# Altium PCB A_base2017.PcbDoc (part 4 of 4)
Units mil, origin at the board's own origin, x right, y up, seen from the top; angles counter-clockwise.
Board outline 3944.36 x 3947.83 mil, 2 copper layers (Top Layer, Bottom Layer); 105 components, 169 nets, 534 pads, 87 vias.
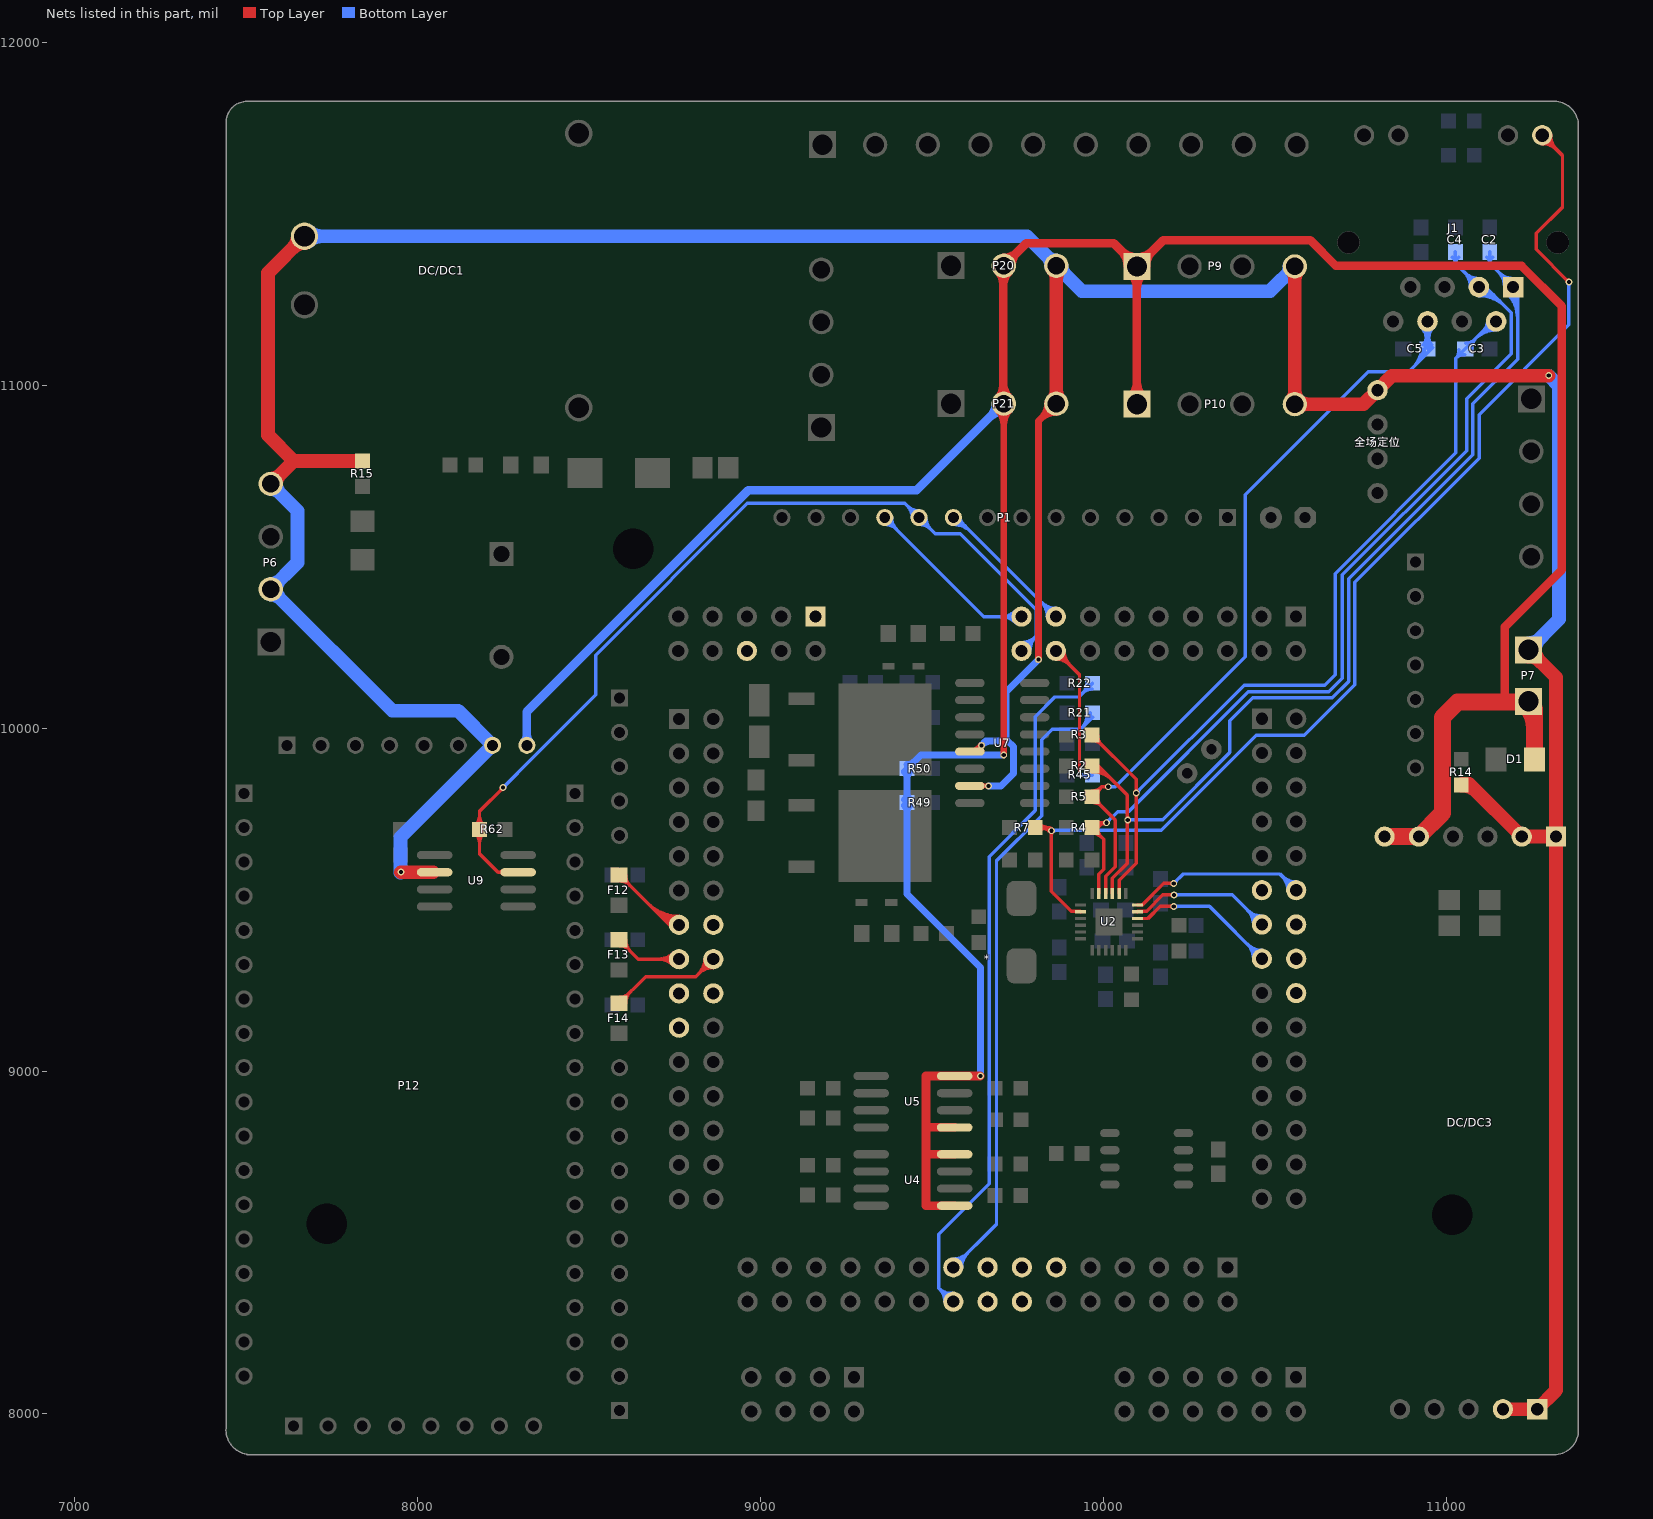
[diagram p4: the nets of this part, all layers, seen from the top]

## Via types
v1: diameter 20, hole 12, Top Layer to Bottom Layer, 86 vias
v2: diameter 12, hole 12, Top Layer to Bottom Layer, 1 vias

## Nets (pads, with @x,y where several pads share a name; then routed paths per layer and width w, separated by ;. In a path a pad name is that pad's centre, name@x,y a point inside that pad or via, vN(x,y) a via of type N, cw(c..) or ccw(c..) an arc to the next point about the centre after c; other vN are vias at no path point) (continued)
PF7: *.16 R45.1 | length 634.3
  Top Layer w10: *.16@9860.97,10200.98 cw(c9860.97,10141.77) 9902.84,10183.64 cw(c9944.71,10225.51) *.16@9885.5,10225.51 ; *.16@9860.97,10210.98 cw(c9860.97,10175.91) 9885.77,10200.71 cw(c9910.57,10225.51) *.16@9875.5,10225.51 ; *.16@9860.97,10225.51 9930,10156.48 v2(9930,9863)
  Bottom Layer w10: R45.1@9955.35,9874.66 cw(c9930,9896.39) v2(9930,9863) ; R45.1@9956.18,9852.1 ccw(c9930,9826.13) v2(9930,9863) ; R45.1@9967.17,9863 v2(9930,9863)
PF8: *.15 P1.9 | length 670.6
  Bottom Layer w10: P1.9@9562.03,10594.32 cw(c9562.03,10521.57) 9613.47,10573.01 ; P1.9@9562.03,10604.32 cw(c9562.03,10555.71) 9596.4,10590.08 ; P1.9@9572.17,10614.32 *.15@9860.97,10325.51 ; P1.9@9582.03,10614.32 ccw(c9605.85,10614.32) 9589.01,10597.47 ; *.15@9836.44,10325.51 ccw(c9777.23,10325.51) 9819.1,10367.38 ccw(c9860.97,10409.25) *.15@9860.97,10350.04 ; *.15@9846.44,10325.51 ccw(c9811.37,10325.51) 9836.17,10350.31 ccw(c9860.97,10375.11) *.15@9860.97,10340.04
PF9: *.18 P1.10 R62.2 U9.7 | length 3078.8
  Top Layer w10: R62.2@8168.34,9692.95 cw(c8139.91,9664.52) 8180.12,9664.52 cw(c8220.32,9664.52) R62.2@8191.89,9692.95 ; R62.2@8168.34,9716.5 ccw(c8139.91,9744.93) 8180.12,9744.93 ccw(c8220.32,9744.93) R62.2@8191.89,9716.5 ; v1@8244.02,9826.77 cw(c8231.94,9826.77) 8240.48,9818.24 cw(c8249.02,9809.7) v1@8249.02,9821.77 ; U9.7@8248.07,9574.97 ccw(c8236.12,9563.02) 8236.12,9579.92 ccw(c8236.12,9596.82) U9.7@8248.07,9584.87 ; v1(8249.02,9826.77) 8180.12,9757.87 8180.12,9633.86 8234.06,9579.92 U9.7@8292.83,9579.92
  Bottom Layer w10: v1@8248.76,9827.02 8333.93,9912.19 8518.7,10096.96 8518.7,10212.6 8961.61,10655.51 9420.83,10655.51 P1.10@9462.03,10614.32 9509.35,10567 9582.12,10567 9803.5,10345.62 9803.5,10268.04 *.18@9760.97,10225.51 ; v1@8249.02,9831.77 ccw(c8249.02,9842.63) 8256.69,9834.95 ; v1@8254.02,9826.77 cw(c8267.3,9826.77) 8257.91,9836.17 ; P1.10@9442.03,10614.32 ccw(c9393.75,10614.32) 9427.89,10648.46 ccw(c9462.03,10682.6) P1.10@9462.03,10634.32 ; P1.10@9462.03,10594.31 cw(c9462.03,10546.03) 9496.17,10580.17 cw(c9530.32,10614.32) P1.10@9482.03,10614.32 ; *.18@9760.97,10240.04 ccw(c9760.97,10275.11) 9785.77,10250.31 ccw(c9810.57,10225.51) *.18@9775.5,10225.51 ; *.18@9760.97,10250.04 ccw(c9760.97,10309.25) 9802.84,10267.38 ccw(c9844.71,10225.51) *.18@9785.5,10225.51
PF10: *.17 P1.11 | length 742.5
  Bottom Layer w10: P1.11@9362.03,10594.31 cw(c9362.03,10546.03) 9396.17,10580.17 cw(c9430.32,10614.32) P1.11@9382.03,10614.32 ; P1.11@9362.03,10614.32 9650.83,10325.51 *.17@9760.97,10325.51 ; *.17@9743.62,10308.17 ccw(c9701.75,10266.3) 9701.75,10325.51 ccw(c9701.75,10384.73) *.17@9743.62,10342.86 ; *.17@9750.7,10315.24 ccw(c9725.9,10290.44) 9725.9,10325.51 ccw(c9725.9,10360.58) *.17@9750.7,10335.78
PF11: *.42
PF12: *.41 F12.2 | length 584.2
  Top Layer w10: F12.2@8589.07,9571.36 8733.92,9426.51 *.41@8761.97,9426.51 ; F12.2@8589.11,9554.35 cw(c8589.11,9513.38) 8618.08,9542.35 ; F12.2@8606.61,9571.85 ccw(c8650.15,9571.85) 8619.36,9541.07 ; 8672.22,9488.22 ccw(c8761.97,9577.97) *.41@8761.97,9451.04 ; 8689.29,9471.14 ccw(c8761.97,9543.82) *.41@8761.97,9441.04 ; 8706.36,9454.07 ccw(c8761.97,9509.68) *.41@8761.97,9431.04 ; 8723.43,9437 ccw(c8761.97,9475.54) *.41@8761.97,9421.04
PF13: *.43 F13.2 | length 413.2
  Top Layer w10: F13.2@8586.61,9382.87 8642.98,9326.51 *.43@8761.97,9326.51 ; F13.2@8589.11,9365.37 cw(c8589.11,9329.16) 8614.72,9354.77 ; F13.2@8606.61,9382.87 ccw(c8654.9,9382.87) 8620.76,9348.73 ; *.43@8744.62,9309.17 ccw(c8702.75,9267.3) 8702.75,9326.51 ccw(c8702.75,9385.73) *.43@8744.62,9343.86 ; *.43@8751.7,9316.24 ccw(c8726.9,9291.44) 8726.9,9326.51 ccw(c8726.9,9361.58) *.43@8751.7,9336.78
PF14: *.44 F14.2 | length 543.1
  Top Layer w10: F14.2@8586.61,9197.83 8664.37,9275.59 8811.05,9275.59 *.44@8861.97,9326.51 ; F14.2@8589.11,9215.33 ccw(c8589.11,9251.55) 8614.72,9225.94 ; F14.2@8606.61,9197.83 cw(c8654.9,9197.83) 8620.76,9231.98 ; *.44@8837.44,9326.51 cw(c8778.23,9326.51) 8820.1,9284.64 cw(c8861.97,9242.77) *.44@8861.97,9301.98 ; *.44@8847.44,9326.51 cw(c8812.37,9326.51) 8837.17,9301.71 cw(c8861.97,9276.91) *.44@8861.97,9311.98
PF15: *.45
PG0: *.46
PG1: *.47
PG2: *.75 R21.1 | length 2056
  Bottom Layer w10: *.75@9561.97,8427.51 9687.99,8553.54 9687.99,9613.19 9820,9745.2 9820,9966 9851,9997 9933.89,9997 ; *.75@9561.97,8442.04 ccw(c9561.97,8477.11) 9586.77,8452.31 ccw(c9611.57,8427.51) *.75@9576.5,8427.51 ; *.75@9561.97,8452.04 ccw(c9561.97,8511.25) 9603.84,8469.38 ccw(c9645.71,8427.51) *.75@9586.5,8427.51 ; 9949.4,10012.51 ccw(c9920.27,10041.64) R21.1@9961.36,10044.53 ; R21.1@9951.39,10043.83 cw(c9891.29,10039.6) 9933.89,9997 ; R21.1@9968.5,10031.61 9933.89,9997
PG3: *.76 R22.1 | length 2224.5
  Bottom Layer w10: 9522.68,8363.15 cw(c9487.05,8327.51) *.76@9537.44,8327.51 ; 9534.45,8351.37 ccw(c9557.5,8374.42) *.76@9560.59,8341.97 ; *.76@9559.64,8351.93 cw(c9554.89,8401.83) 9519.44,8366.38 ; *.76@9560.14,8325.68 9519.44,8366.39 ; R22.1@9951.35,10131 cw(c9911.14,10131) 9939.57,10102.57 cw(c9968,10074.14) R22.1@9968,10114.35 ; R22.1@9968,10131 9928,10091 9858,10091 9801,10034 9801,9760 9666.34,9625.34 9666.34,8671.34 9519.44,8524.44 9519.44,8366.39
PG4: *.74
PG5: *.73
PG6: *.72
PG7: *.71
PG8: *.69
PG9: *.106
PG10: *.104
PG11: *.103 U2.16 | length 627.1
  Top Layer w10: U2.16@10098.75,9445.08 10129.84,9445.08 10165.08,9480.32 v1(10204.72,9480.32) ; v1@10201.19,9476.78 ccw(c10192.65,9468.24) 10192.65,9480.31 ccw(c10192.65,9492.39) v1@10201.19,9483.85
  Bottom Layer w10: v1(10204.72,9480.32) 10309.17,9480.32 *.103@10461.97,9327.51 ; v1@10208.26,9476.78 cw(c10216.8,9468.24) 10216.8,9480.31 cw(c10216.8,9492.39) v1@10208.26,9483.85 ; *.103@10437.44,9327.51 ccw(c10378.23,9327.51) 10420.1,9369.38 ccw(c10461.97,9411.25) *.103@10461.97,9352.04 ; *.103@10447.44,9327.51 ccw(c10412.37,9327.51) 10437.17,9352.31 ccw(c10461.97,9377.11) *.103@10461.97,9342.04
PG12: *.102
PG13: *.101 U2.17 | length 606.3
  Top Layer w10: U2.17@10098.75,9464.76 10100.43,9466.45 10125.75,9466.45 10173.09,9513.78 v1(10205.71,9513.78) ; v1@10202.17,9510.24 ccw(c10193.64,9501.71) 10193.64,9513.78 ccw(c10193.64,9525.85) v1@10202.17,9517.32
  Bottom Layer w10: v1@10204.72,9513.78 10375.7,9513.78 *.101@10461.97,9427.51 ; v1@10209.24,9510.24 cw(c10217.78,9501.71) 10217.78,9513.78 cw(c10217.78,9525.85) v1@10209.24,9517.32 ; *.101@10437.44,9427.51 ccw(c10378.23,9427.51) 10420.1,9469.38 ccw(c10461.97,9511.25) *.101@10461.97,9452.04 ; *.101@10447.44,9427.51 ccw(c10412.37,9427.51) 10437.17,9452.31 ccw(c10461.97,9477.11) *.101@10461.97,9442.04
PG15: *.99
PGND: DC/DC1.Vin- DC/DC3.1 DC/DC3.2 DC/DC3.6 DC/DC3.7 P6.2 P6.4 P7.1 P9.4 P10.4 P12.15 P20.3 P21.3 R14.1 R15.1 U7.13 U7.15 U9.2 全场定位.4 | length 13608.6
  Top Layer w10: U7.13@9610.24,9931.81 U7.13@9625.71,9931.81 ; U7.15@9610.35,9831.69 v1(9664.37,9831.69) ; U7.15@9646.55,9826.99 cw(c9657.89,9815.65) v1@9657.89,9831.69 ; U7.15@9646.55,9836.63 ccw(c9658.46,9848.54) v1@9658.46,9831.69 ; U7.15@9652.6,9833.26 ccw(c9654.9,9841.85) v1@9660.96,9835.35 ; U7.15@9652.68,9830.3 cw(c9654.88,9822.07) 9660.86,9828.13 ccw(c9652.3,9819.62) 9652.3,9831.69 ccw(c9652.3,9843.76) v1@9660.83,9835.23
  Top Layer w20: U7.13@9625.71,9931.81 v1(9643.7,9949.8) ccw(c9652.43,9941.08) U7.13@9643.1,9933 ; v1(9810.04,10200.79) 9810.04,10895.77 P21.3@9862.54,10948.27 ; 9816.07,10901.8 cw(c9862.54,10855.34) P21.3@9862.54,10921.05 ; 9820.38,10906.12 ccw(c9780.02,10946.48) P21.3@9837.1,10946.48
  Top Layer w40: P6.4@7571.38,10712.4 7638.5,10779.53 ; P6.4@7571.38,10727.83 ccw(c7571.38,10765.09) 7597.72,10738.75 ccw(c7624.07,10712.4) P6.4@7586.81,10712.4 ; DC/DC1.Vin-@7649.69,11434.65 cw(c7601.4,11434.65) 7635.54,11400.5 cw(c7669.69,11366.36) DC/DC1.Vin-@7669.69,11414.65 ; DC/DC1.Vin-@7669.69,11434.65 7562.99,11327.95 7562.99,10855.04 7638.5,10779.53 ; R15.1@7838.58,10779.53 7638.5,10779.53 ; v1(7950.79,9580.19) U9.2@8045.54,9580.19 ; P21.3@9851.62,10957.4 ccw(c9825.28,10983.74) 9862.54,10983.74 ccw(c9899.8,10983.74) P21.3@9873.45,10957.4 ; P20.3@9851.62,11337.85 cw(c9825.28,11311.5) 9862.54,11311.5 cw(c9899.8,11311.5) P20.3@9873.45,11337.85 ; P21.3@9862.54,10948.27 P20.3@9862.54,11348.76 ; P10.4@10547.22,10956.04 ccw(c10520.87,10982.38) 10558.13,10982.38 ccw(c10595.39,10982.38) 10569.04,10956.04 ccw(c10595.39,10982.38) 10595.39,10945.13 ccw(c10595.39,10907.87) P10.4@10569.04,10934.21 ; P9.4@10547.22,11335.79 cw(c10520.87,11309.44) 10558.13,11309.44 cw(c10595.39,11309.44) P9.4@10569.04,11335.79 ; P9.4@10558.13,11346.7 P10.4@10558.13,10945.13 10758.51,10945.13 全场定位.4@10799.21,10985.83 10841.58,11028.2 v1(11298.49,11028.2) ; R14.1@11043.31,9832.99 cw(c11043.31,9766.84) 11090.08,9813.62 ; R14.1@11046.34,9837.68 11066.02,9837.68 DC/DC3.7@11219.8,9683.9 DC/DC3.6@11319.8,9683.9 ; DC/DC3.2@11164.8,8013.9 DC/DC3.1@11264.8,8013.9 11319.8,8068.9 DC/DC3.6@11319.8,9683.9 ; P7.1@11239.65,10209.17 cw(c11239.65,10162.41) 11272.71,10195.48 cw(c11305.78,10228.54) P7.1@11259.02,10228.54 ; P7.1@11239.65,10228.54 11319.8,10148.39 DC/DC3.6@11319.8,9683.9
  Bottom Layer w10: v1(9810.04,10200.79) v1@9811.02,10201.77
  Bottom Layer w20: v1(9664.37,9831.69) 9700.79,9831.69 9736.99,9867.9 9736.99,9946.08 9718.5,9964.57 9718.5,9965.55 9716.54,9967.52 9716.54,10107.28 v1(9810.04,10200.79) ; 9674.59,9962.6 ccw(c9674.59,9918.91) v1(9643.7,9949.8) 9656.5,9962.6 9720.47,9962.6
  Bottom Layer w40: P6.2@7571.38,10389.88 cw(c7571.38,10352.62) 7597.72,10378.97 cw(c7624.07,10405.32) 7586.81,10405.32 cw(c7624.07,10405.32) 7597.72,10431.66 cw(c7571.38,10458.01) P6.2@7571.38,10420.75 ; P6.4@7571.38,10696.97 cw(c7571.38,10659.71) 7597.72,10686.06 cw(c7624.07,10712.4) P6.4@7586.81,10712.4 ; P6.4@7571.38,10712.4 7649.61,10634.17 7649.61,10483.54 P6.2@7571.38,10405.32 7925.51,10051.18 8117.2,10051.18 P12.15@8218.19,9950.19 7949.8,9681.8 v1@7949.8,9578.74 ; DC/DC1.Vin-@7669.69,11434.65 9776.65,11434.65 P20.3@9862.54,11348.76 9936.69,11274.61 10486.04,11274.61 P9.4@10558.13,11346.7 ; DC/DC1.Vin-@7683.83,11420.5 cw(c7717.97,11386.36) 7717.97,11434.65 cw(c7717.97,11482.93) DC/DC1.Vin-@7683.83,11448.79 ; P20.3@9847.1,11348.76 ccw(c9809.85,11348.76) 9836.19,11375.11 ccw(c9862.54,11401.45) P20.3@9862.54,11364.19 ; P20.3@9862.54,11333.33 cw(c9862.54,11296.07) 9888.88,11322.41 cw(c9915.23,11348.76) P20.3@9877.97,11348.76 ; P9.4@10542.7,11346.7 cw(c10505.44,11346.7) 10531.78,11320.35 cw(c10558.13,11294.01) P9.4@10558.13,11331.27 ; P7.1@11239.65,10228.54 11328.74,10317.64 11328.74,10997.94 v1(11298.49,11028.2) ; P7.1@11239.65,10247.91 ccw(c11239.65,10294.68) 11272.71,10261.61 ccw(c11305.78,10228.54) P7.1@11259.02,10228.54
PWR5V: D1.1 DC/DC3.10 DC/DC3.11 P7.2 P9.1 P10.1 P12.16 P20.2 P21.2 R49.2 R50.2 U4.1 U4.4 U5.1 U5.4 | length 10875.7
  Top Layer w20: P21.2@9691.01,10928.5 cw(c9647.59,10885.08) 9708.99,10885.08 cw(c9770.39,10885.08) P21.2@9726.98,10928.5 ; v1(9708.99,9921.59) P21.2@9708.99,10944.7
  Top Layer w25: 9482.28,8835.63 U5.1@9565.95,8835.63 ; 9482.87,8757.28 U4.4@9565.95,8757.28 ; U4.1@9565.95,8607.28 9482.28,8607.28 9482.28,8985.63 U5.4@9565.95,8985.63 v1@9640.64,8985.63 ; P21.2@9692.78,10962.7 ccw(c9657.94,10997.53) 9707.21,10997.53 ; P20.2@9692.78,11332.54 cw(c9657.94,11297.71) 9707.21,11297.71 ; P21.2@9707.21,10946.48 P20.2@9707.21,11346.97 ; 9707.21,11006.17 ccw(c9768.67,11006.17) P21.2@9725.21,10962.7 ; 9707.21,11289.08 cw(c9768.67,11289.08) P20.2@9725.21,11332.54 ; P20.2@9708.99,11348.76 9774.6,11414.37 10029.83,11414.37 P9.1@10097.5,11346.7 ; P20.2@9708.99,11371.69 ccw(c9708.99,11427.06) 9748.14,11387.91 ccw(c9787.29,11348.76) P20.2@9731.93,11348.76 ; P9.1@10070.63,11346.7 ccw(c10005.76,11346.7) 10051.63,11392.57 ccw(c10097.5,11438.44) 10097.5,11373.57 ccw(c10097.5,11438.44) 10143.37,11392.57 ccw(c10189.24,11346.7) P9.1@10124.37,11346.7 ; P10.1@10078.5,10964.13 ccw(c10032.63,11010) 10097.5,11010 ccw(c10162.37,11010) P10.1@10116.5,10964.13 ; P9.1@10078.5,11327.7 cw(c10032.63,11281.83) 10097.5,11281.83 cw(c10162.37,11281.83) P9.1@10116.5,11327.7 ; P10.1@10097.5,10945.13 P9.1@10097.5,11346.7 ; 11170.28,10076 11170.28,10295.28 11336.99,10461.99 11336.99,11230.47 11219.04,11348.43 10678.15,11348.43 10603.35,11423.23 10174.03,11423.23 P9.1@10097.5,11346.7
  Top Layer w50: DC/DC3.11@10819.8,9683.9 DC/DC3.10@10919.8,9683.9 10988.19,9752.28 10988.19,10031.5 11032.69,10076 11170.28,10076 11237.1,10076 11256.79,10056.32 D1.1@11256.79,9909.45 ; 11198.81,10076 ccw(c11198.81,10119.38) P7.2@11229.48,10088.7 ; P7.2@11229.48,10068.38 cw(c11163.57,10002.47) 11256.79,10002.47
  Bottom Layer w20: R49.2@9418.96,9774.76 cw(c9399.52,9755.32) 9427.01,9755.32 ; R49.2@9418.96,9791.24 ccw(c9399.06,9811.13) 9427.2,9811.13 ccw(c9455.33,9811.13) R49.2@9435.44,9791.24 ; R50.2@9418.96,9873.76 cw(c9399.06,9853.87) 9427.2,9853.87 cw(c9455.33,9853.87) R50.2@9435.44,9873.76 ; 9427.01,9754.41 cw(c9455.79,9754.41) R49.2@9435.44,9774.76 ; R49.2@9427.01,9783.58 9427.01,9515.99 9640.75,9302.25 v1@9640.75,8985.24 ; R49.2@9427.2,9783 R50.2@9427.2,9882 9467.44,9922.24 9631.66,9922.24 9632.1,9921.8 9708.55,9921.8 v1@9708.99,9922.24 ; R50.2@9427.2,9893.65 ccw(c9427.2,9921.79) 9447.09,9901.89 ccw(c9466.98,9882) R50.2@9438.85,9882
  Bottom Layer w25: P12.16@8309.35,9959.03 ccw(c8288.01,9980.37) 8318.19,9980.37 ccw(c8348.37,9980.37) P12.16@8327.03,9959.03 ; P12.16@8318.19,9950.19 8318.19,10048.15 8963.94,10693.9 9454.62,10693.9 P21.2@9707.21,10946.48 ; 9666.79,10906.07 cw(c9708.99,10863.87) P21.2@9708.99,10923.55 ; 9671.11,10910.39 ccw(c9635.01,10946.48) P21.2@9686.06,10946.48
  other v1: 9641.03,8985.24
RESET: *.19
RMII_TXD1: *.100 U2.18 | length 713.5
  Top Layer w10: U2.18@10098.75,9484.45 10113.5,9484.45 10176.29,9547.24 v1(10204.72,9547.24) ; U2.18@10109.57,9484.37 ccw(c10109.57,9493.65) 10116.13,9487.09 ; v1@10201.19,9543.71 ccw(c10192.65,9535.17) 10192.65,9547.24 ccw(c10192.65,9559.32) v1@10201.19,9550.78
  Bottom Layer w10: v1(10204.72,9547.24) 10232.28,9574.8 10514.68,9574.8 *.100@10561.97,9527.51 ; v1@10204.72,9552.24 ccw(c10204.72,9564.32) 10213.26,9555.78 ccw(c10221.8,9547.24) v1@10209.72,9547.24 ; *.100@10537.44,9527.51 ccw(c10478.23,9527.51) 10520.1,9569.38 ccw(c10561.97,9611.25) *.100@10561.97,9552.04 ; *.100@10547.44,9527.51 ccw(c10512.37,9527.51) 10537.17,9552.31 ccw(c10561.97,9577.11) *.100@10561.97,9542.04
SPEED_LED: J1.9 R7.1 U2.2 | length 3756.1
  Top Layer w10: R7.1@9801.02,9710.24 9838.76,9710.24 ; R7.1@9813.33,9699.01 cw(c9838.76,9675.8) 9838.76,9710.24 ; R7.1@9813.33,9721.46 ccw(c9838.76,9744.67) 9838.76,9710.24 ; R7.1@9813.63,9710.24 cw(c9813.63,9666.63) 9844.46,9697.46 cw(c9835.93,9688.93) 9848,9688.93 cw(c9860.07,9688.93) v1@9851.54,9697.46 ; 9822.8,9714.51 cw(c9813.91,9681.32) v1@9843.67,9698.5 ; 9827.84,9713.16 cw(c9821.9,9690.99) v1@9843.33,9699.21 ; 9837.77,9710.24 cw(c9837.77,9690.77) v1@9851.54,9704.54 ; v1@9843,9701 ccw(c9830.93,9701) 9839.46,9709.54 ccw(c9848,9718.07) v1@9848,9706 ; U2.2@9933.3,9464.76 9931.61,9466.45 9905.84,9466.45 9848,9524.29 v1(9848,9701) 9838.76,9710.24 ; J1.9@11279.53,11704.8 cw(c11279.53,11645.59) 11321.4,11687.46 cw(c11363.27,11729.33) J1.9@11304.06,11729.33 ; J1.9@11279.53,11714.8 cw(c11279.53,11679.73) 11304.33,11704.53 cw(c11329.13,11729.33) J1.9@11294.06,11729.33 ; J1.9@11279.53,11729.33 11338.58,11670.28 11338.58,11519.68 11261.81,11442.91 11261.81,11396.65 v1(11357.28,11301.18) v1@11357.28,11299.21 ; v1@11352.28,11301.18 ccw(c11340.21,11301.18) 11348.75,11309.72 ccw(c11357.28,11318.25) v1@11357.28,11306.18
  Bottom Layer w10: v1(9848,9701) 9848.86,9701.86 10168.39,9701.86 10445.87,9979.33 10585.63,9979.33 10732.85,10126.55 10732.85,10425.2 11095.28,10787.63 11095.28,10914.18 11357.28,11176.18 v1(11357.28,11301.18) ; v1@9851.54,9697.46 cw(c9862.14,9686.86) 9862.14,9701.86 ; v1@9851.54,9704.54 ccw(c9858,9711) 9858,9701.86 ; v1@11353.75,11297.65 cw(c11345.21,11289.11) 11357.28,11289.11 cw(c11369.35,11289.11) v1@11360.82,11297.65
TPRX+: C4.2 J1.3 R4.1 U2.23 | length 3224.9
  Top Layer w10: R4.1@9966.02,9693.58 cw(c9966.02,9653.38) 9994.45,9681.81 cw(c10022.88,9710.24) R4.1@9982.68,9710.24 ; R4.1@9972.33,9708.12 cw(c9994.96,9700.55) 9994.96,9724.41 ; R4.1@9981.82,9704.95 cw(c10008.86,9695.89) v1(10008.86,9724.41) 9980.2,9724.41 R4.1@9966.02,9710.24 10000.68,9675.58 10000.68,9588.2 9986.5,9574.02 U2.23@9986.5,9517.96 ; v1@10004.53,9726.91 cw(c9994.08,9732.94) 9997.2,9721.29 cw(c10000.32,9709.62) v1@10006.36,9720.08 ; v1@10005.32,9720.87 ccw(c9996.79,9712.34) 9996.79,9724.41 ccw(c9996.79,9736.48) v1@10005.32,9727.94
  Bottom Layer w10: v1@10008.86,9729.41 ccw(c10008.86,9741.48) 10017.39,9732.94 ccw(c10025.93,9724.41) v1@10013.86,9724.41 ; v1@10011.22,9726.78 10041.34,9756.89 10072.83,9756.89 10422.24,10106.3 10657.48,10106.3 10696.85,10145.67 10696.85,10446.95 11059.28,10809.39 11059.28,10961.28 11189.54,11091.54 11189.54,11212.04 11115.39,11286.18 11096.54,11286.18 11026.46,11356.26 ; C4.2@11017.25,11373.4 cw(c11005.89,11356.26) 11026.46,11356.26 ; C4.2@11026.46,11389.25 11026.46,11356.26 ; C4.2@11035.66,11373.4 ccw(c11047.02,11356.26) 11026.46,11356.26 ; 11051.2,11331.51 cw(c11006.11,11286.42) J1.3@11069.88,11286.42 ; 11054.62,11328.09 ccw(c11094.88,11368.35) J1.3@11094.88,11311.42 ; 11068.27,11314.44 cw(c11040.25,11286.42) J1.3@11079.88,11286.42 ; 11071.69,11311.02 ccw(c11094.88,11334.21) J1.3@11094.88,11301.42 ; J1.3@11094.88,11261.42 cw(c11094.88,11152.11) 11172.17,11229.4 ; J1.3@11094.88,11271.42 cw(c11094.88,11186.25) 11155.1,11246.47 ; J1.3@11094.88,11281.42 cw(c11094.88,11220.4) 11138.03,11263.54
TPRX-: C5.2 J1.6 R5.1 U2.22 | length 2811.2
  Top Layer w10: R5.1@9966.02,9783.58 cw(c9966.02,9742.24) 9995.26,9771.47 ; R5.1@9966.02,9800.24 9994.96,9829.17 v1(10013.72,9829.17) ; R5.1@9966.02,9816.89 ccw(c9966.02,9857.09) 9994.45,9828.67 ccw(c10022.88,9800.24) 9982.68,9800.24 ccw(c10021.74,9800.24) 9994.12,9772.61 ; R5.1@9966.5,9800.24 10034.45,9732.28 10034.45,9596.51 10006.18,9568.25 U2.22@10006.18,9517.96 ; v1@10010.18,9825.64 ccw(c10001.65,9817.1) 10001.65,9829.17 ccw(c10001.65,9841.24) v1@10010.18,9832.71
  Bottom Layer w10: v1(10013.72,9829.17) 10034.17,9829.17 10413,10208 10413,10680.72 10771.65,11039.37 10889.76,11039.37 C5.2@10960.63,11110.24 ; v1@10017.25,9825.64 cw(c10025.79,9817.1) 10025.79,9829.17 cw(c10025.79,9841.24) v1@10017.25,9832.71 ; 10904.74,11054.35 ccw(c10852.79,11106.3) C5.2@10926.26,11106.3 ; 10921.81,11071.42 ccw(c10886.93,11106.3) C5.2@10936.26,11106.3 ; J1.6@10927.2,11168.74 cw(c10884.53,11126.06) 10944.88,11126.06 cw(c11005.24,11126.06) J1.6@10962.56,11168.74 ; C5.2@10932.05,11118.92 ccw(c10915.65,11137.99) 10939.94,11144.5 ; C5.2@10933.11,11118.08 ccw(c10904.68,11146.5) 10944.88,11146.5 ccw(c10985.09,11146.5) C5.2@10956.66,11118.08 ; J1.6@10934.28,11175.81 cw(c10908.67,11150.2) 10944.88,11150.2 cw(c10981.1,11150.2) J1.6@10955.49,11175.81 ; C5.2@10938.52,11120.72 ccw(c10930.4,11134.79) 10946.09,11130.59 ; C5.2@10938.57,11111.34 ccw(c10927.17,11124.6) 10944.06,11129.13 ; 10943.67,11130.59 ccw(c10959.36,11134.79) C5.2@10951.24,11120.72 ; C5.2@10944.88,11106.3 J1.6@10944.88,11184.53 ; 10945.7,11129.13 ccw(c10962.6,11124.6) C5.2@10951.19,11111.34 ; 10949.82,11144.5 ccw(c10974.12,11137.99) C5.2@10957.71,11118.92
TPTX+: C2.2 J1.1 R2.1 U2.21 | length 3376.6
  Top Layer w10: R2.1@9966.02,9890.24 9983.85,9890.17 10068.9,9805.12 10068.9,9605.51 10025.87,9562.48 U2.21@10025.87,9517.96 ; R2.1@9966.02,9873.58 cw(c9966.02,9790.51) 10024.76,9849.25 ; R2.1@9966.02,9883.58 cw(c9966.02,9824.65) 10007.69,9866.32 ; R2.1@9966.02,9893.58 cw(c9966.02,9858.8) 9990.62,9883.39 ; 10068.9,9715.46 cw(c10087.69,9715.46) v1@10074.4,9728.75 ; 10068.9,9749.11 ccw(c10087.69,9749.11) v1@10074.4,9735.82
  Bottom Layer w10: v1(10070.87,9732.28) 10069.88,9732.28 10068.9,9733.27 10172.24,9733.27 10368.11,9929.13 10368.11,10021.65 10434.76,10088.3 10667.04,10088.3 10714.85,10136.11 10714.85,10435.32 11077.28,10797.76 11077.28,10946.28 11207.54,11076.54 11207.54,11275.18 11126.46,11356.26 ; v1@10074.4,9728.75 cw(c10085.31,9717.84) 10085.31,9733.27 ; C2.2@11117.25,11373.4 cw(c11105.89,11356.26) 11126.46,11356.26 ; C2.2@11126.46,11389.25 11126.46,11356.26 ; C2.2@11135.66,11373.4 ccw(c11147.02,11356.26) 11126.46,11356.26 ; 11151.2,11331.51 cw(c11106.11,11286.42) J1.1@11169.88,11286.42 ; 11154.62,11328.09 ccw(c11194.88,11368.35) J1.1@11194.88,11311.42 ; J1.1@11168.27,11314.44 cw(c11140.25,11286.42) J1.1@11179.88,11286.42 ; J1.1@11171.69,11311.02 ccw(c11194.88,11334.21) J1.1@11194.88,11301.42 ; J1.1@11177.2,11268.74 cw(c11103.98,11195.51) 11207.54,11195.51 ; J1.1@11184.28,11275.81 cw(c11128.12,11219.66) 11207.54,11219.66 ; J1.1@11191.35,11282.88 cw(c11152.26,11243.8) 11207.54,11243.8 ; J1.1@11207.54,11256.61 cw(c11224.69,11256.61) J1.1@11212.56,11268.74
TPTX-: C3.2 J1.2 R3.1 U2.20 | length 2892.4
  Top Layer w10: R3.1@9966.02,9963.58 cw(c9966.02,9923.38) 9994.45,9951.81 cw(c10022.88,9980.24) R3.1@9982.68,9980.24 ; R3.1@9966.02,9980.24 10095.47,9850.79 10095.47,9606.63 10045.55,9556.7 U2.20@10045.55,9517.96 ; v1@10091.94,9807.49 cw(c10083.4,9798.95) 10095.47,9798.95 cw(c10107.54,9798.95) v1@10099.01,9807.49 ; v1@10091.94,9814.56 ccw(c10083.4,9823.09) 10095.47,9823.09 ccw(c10107.54,9823.09) v1@10099.01,9814.56
  Bottom Layer w10: v1@10095.47,9816.02 ccw(c10095.47,9828.09) 10104.01,9819.56 ccw(c10112.54,9811.02) v1@10100.47,9811.02 ; v1@10097.44,9812.99 10409.87,10125.42 10645.1,10125.42 10675.48,10155.8 10675.48,10451.04 11027.56,10803.12 11027.56,11078.74 ; 11028.08,11079.26 cw(c11053.15,11054.19) C3.2@11053.15,11089.65 ; C3.2@11036.6,11104.47 cw(c11005.29,11101.02) 11027.56,11078.74 ; C3.2@11057.09,11122.95 ccw(c11057.09,11158.41) 11082.16,11133.34 ; C3.2@11073.74,11106.3 cw(c11118.7,11106.3) 11086.91,11138.09 ; 11085.74,11136.92 cw(c11144.88,11077.77) J1.2@11144.88,11161.42 ; 11102.81,11153.99 cw(c11144.88,11111.92) J1.2@11144.88,11171.42 ; 11109.02,11160.21 ccw(c11082.81,11186.42) J1.2@11119.88,11186.42 ; J1.2@11162.61,11170.11 11146.54,11186.18 11135,11186.18 C3.2@11055.12,11106.3 11027.56,11078.74
  other v1: 10095.47,9811.02
VREF+: *.24
pads on no net: *.1 *.70 *.89 *.119 *.120 DC/DC3.3 J1.7 J1.8 J1.14 P12.1 P12.2 P12.9 P12.10 P13.1 P13.2 P13.11 P13.12 U2.10 U8.5 U9.3 U9.4 U9.5

## Polygon pours and split planes (outlines as drawn)
GND on Top Layer "Top Layer-No Net" (hatched 90Degree grid 20 track 8, remove dead copper, pour order 12): 10705.71,11860.24 10705.71,11160.43 10709.65,11156.5 10800.2,11065.94 10808.07,11065.94 11429.13,11065.94 11453.74,11090.55 11481.3,11118.11 11481.3,11964.57 10703.74,11964.57 10701.77,11966.54
PGND on Top Layer "Top Layer-No Net" (hatched 90Degree grid 20 track 8, remove dead copper, pour order 17): 7358.27,9482.28 7359.25,9481.3 8040,9481.3 8066.93,9481.3 8105.31,9519.68 8106.3,9520.67 8106.3,9575.79 8106.3,9586.61 8065.94,9626.97 8060,9632.91 8060,9746.75 8060,9757.83 8230.32,9928.15 8230.32,10041.34 8207.68,10041.34 7754.92,10494.09 7754.92,11204.72 7760,11209.8 7936.02,11385.83 8320,11385.83 8344.49,11410.32 8344.49,12063.98 7292.32,12063.98 7268.7,12087.6 7263.78,12082.68 7263.78,9481.3
GND on Top Layer "Top Layer-No Net" (hatched 90Degree grid 20 track 8, remove dead copper, pour order 20): 8388.78,11882.87 8396.65,11890.75 8979.33,11890.75 8979.33,9535.43 9047.24,9467.52 9051.18,9471.46 9628.94,9471.46 9681.1,9523.62 9675.2,9529.53 9675.2,9716.54 9675.2,9717.52 9694.88,9737.2 9696.85,9739.17 11027.56,9739.17 11036.42,9739.17 11224.41,9551.18 11222.44,9549.21 11222.44,9348.43 11222.44,9346.46 10748.03,8872.05 10750,8870.08 10750,7868.11 7292.32,7868.11 7288.39,7872.05 7290.35,7874.02 7290.35,9441.93 8069.88,9441.93 8129.92,9501.97 8131.89,9503.94 8131.89,9573.82 8131.89,9584.65 8089.57,9626.97 8087.6,9628.94 8087.6,9747.05 8087.6,9766.73 8249.02,9928.15 8254.92,9934.06 8254.92,10067.91 8253.94,10067.91 7801.18,10520.67 7795.28,10526.57 7795.28,11163.39 7795.28,11183.07 7954.72,11342.52 7959.65,11337.6 8332.68,11337.6 8341.54,11337.6 8404.53,11400.59 8407.48,11403.54 8407.48,11882.87
PGND on Top Layer "Top Layer-No Net" (hatched 90Degree grid 20 track 8, remove dead copper, pour order 18): 9508.86,11454.72 10589.57,11454.72 10678.15,11366.14 10680,11364.29 10680,11158.46 10680,11146.77 10777.56,11049.21 10779.53,11047.24 11781.5,11047.24 11781.5,7718.5 11774.61,7711.61 10786.42,7711.61 10786.42,8849.41 10784.45,8851.38 11260,9326.93 11260,9561.69 11264.76,9566.46 11072.36,9758.86 9562.99,9758.86 9560.04,9758.86 9506.89,9812.01 9500,9818.9 9500,11452.76
GGND on Top Layer "Top Layer-No Net" (solid, remove dead copper, pour order 14): 9076.7,11899.02 10657.4,11899.02 10659.37,11900.99 10665.28,11895.09 10665.28,11543.71 10665.28,11535.83 10615.08,11485.64 10612.13,11482.69 9482.21,11482.69 9437.36,11437.83 9433.98,11434.46 9433.98,9622.45 9433.98,9614.57 9324.73,9505.32 9322.76,9503.35 9074.73,9503.35 9071.77,9503.35 9022.56,9552.57 9006.81,9568.32 9006.81,11935.44
GGND on Bottom Layer "Top Layer-No Net" (solid, remove dead copper, pour order 13): 9071.77,11894.1 10652.48,11894.1 10654.45,11896.07 10660.36,11890.17 10660.36,11538.79 10660.36,11530.91 10610.16,11480.72 10607.21,11477.76 9477.29,11477.76 9432.44,11432.91 9429.06,11429.54 9429.06,9617.53 9429.06,9609.65 9319.81,9500.4 9317.84,9498.43 9069.81,9498.43 9066.85,9498.43 9017.64,9547.65 9001.89,9563.39 9001.89,11930.52
GND on Bottom Layer "Top Layer-No Net" (hatched 90Degree grid 20 track 8, remove dead copper, pour order 11): 10705.71,11860.24 10705.71,11160.43 10709.65,11156.5 10800.2,11065.94 10808.07,11065.94 11429.13,11065.94 11453.74,11090.55 11481.3,11118.11 11481.3,11964.57 10703.74,11964.57 10701.77,11966.54
GND on Bottom Layer "Top Layer-No Net" (hatched 90Degree grid 20 track 8, remove dead copper, pour order 19): 8388.78,11882.87 8396.65,11890.75 8979.33,11890.75 8979.33,9535.43 9047.24,9467.52 9051.18,9471.46 9628.94,9471.46 9681.1,9523.62 9675.2,9529.53 9675.2,9716.54 9675.2,9717.52 9694.88,9737.2 9696.85,9739.17 11027.56,9739.17 11036.42,9739.17 11224.41,9551.18 11222.44,9549.21 11222.44,9348.43 11222.44,9346.46 10748.03,8872.05 10750,8870.08 10750,7868.11 7292.32,7868.11 7288.39,7872.05 7290.35,7874.02 7290.35,9441.93 8069.88,9441.93 8129.92,9501.97 8131.89,9503.94 8131.89,9573.82 8131.89,9584.65 8089.57,9626.97 8087.6,9628.94 8087.6,9747.05 8087.6,9766.73 8249.02,9928.15 8254.92,9934.06 8254.92,10067.91 8253.94,10067.91 7801.18,10520.67 7795.28,10526.57 7795.28,11163.39 7795.28,11183.07 7954.72,11342.52 7959.65,11337.6 8332.68,11337.6 8341.54,11337.6 8404.53,11400.59 8407.48,11403.54 8407.48,11882.87
PGND on Bottom Layer "Top Layer-No Net" (hatched 90Degree grid 20 track 8, remove dead copper, pour order 15): 9508.86,11454.72 10589.57,11454.72 10678.15,11366.14 10680,11364.29 10680,11158.46 10680,11146.77 10777.56,11049.21 10779.53,11047.24 11781.5,11047.24 11781.5,7718.5 11774.61,7711.61 10786.42,7711.61 10786.42,8849.41 10784.45,8851.38 11260,9326.93 11260,9561.69 11264.76,9566.46 11072.36,9758.86 9562.99,9758.86 9560.04,9758.86 9506.89,9812.01 9500,9818.9 9500,11452.76
PGND on Bottom Layer "Top Layer-No Net" (hatched 90Degree grid 20 track 8, remove dead copper, pour order 16): 7358.27,9482.28 7359.25,9481.3 8040,9481.3 8066.93,9481.3 8105.31,9519.68 8106.3,9520.67 8106.3,9575.79 8106.3,9586.61 8065.94,9626.97 8060,9632.91 8060,9746.75 8060,9757.83 8230.32,9928.15 8230.32,10041.34 8207.68,10041.34 7754.92,10494.09 7754.92,11204.72 7760,11209.8 7936.02,11385.83 8320,11385.83 8344.49,11410.32 8344.49,12063.98 7292.32,12063.98 7268.7,12087.6 7263.78,12082.68 7263.78,9481.3

## Keep-outs
Keep-Out Layer:
  lines w10: 7445.87,11768.7 7445.87,7958.71 ccw(c7512.8,7953.74) 7504.95,7887.09 ; 7446.57,11767.91 cw(c7501.69,11767.91) 7501.69,11823.03 ; 7501.69,11822.83 11320.83,11822.83 ; 7504.95,7885.83 11308.02,7885.83 ccw(c11312.99,7952.76) 11379.65,7944.91 ; 11320.83,11823.54 cw(c11312.99,11756.89) 11379.92,11751.92 ; 11379.92,7942.91 11379.92,11766.85

## Silkscreen, mask and mechanical layers (free items; w line width, h text height)
Top Overlay:
  circle w10: c8628.94,10523.62 r83.22
  text "24V电源" at 9705.71,11520.67 h100
  text "+" at 9151.57,11509.84 h100
  text "+" at 9457.68,11509.84 h100
  text "+" at 10072.83,11509.84 h100
  text "+" at 10380.91,11509.84 h100
  text "-" at 9306.1,11509 h100
  text "-" at 9612.2,11509 h100
  text "-" at 10227.36,11509 h100
  text "-" at 10535.43,11509 h100
  text "电调/舵机" at 9566.93,11440.94 h65
  text "编码器" at 10233.27,11440.94 h65
  text "-" at 9445.87,11311.02 h70 r90
  text "G3" at 9429.13,11224.41 h40 r90
  text "+" at 9444.88,11156.5 h70 r90
  text "F6" at 9522.64,11105.32 h40
  text "P5V" at 9655.51,11105.32 h40
  text "PGND" at 9806.1,11105.32 h40
  text "P5V" at 10054.13,11105.32 h40
  text "B0" at 10222.44,11105.32 h40
  text "B1" at 10380.91,11105.32 h40
  text "PGND" at 10494.09,11105.32 h40
  text "电调/舵机" at 9566.93,11039.37 h65
  text "编码器" at 10233.27,11039.37 h65
  text "-" at 9445.87,11005.91 h70 r90
  text "A" at 7975.39,10998.03 h300
  text "PGND" at 11011.81,10959.65 h35 r90
  text "G2" at 9429.13,10919.29 h40 r90
  text "CANH" at 11120.87,10907.44 h35 r90
  text "24V" at 11011.81,10853.35 h35 r90
  text "+" at 9444.88,10851.38 h70 r90
  text "CANL" at 11120.87,10747.15 h35 r90
  text "CANH" at 11011.81,10711.61 h35 r90
  text "F7" at 9522.64,10697.83 h40
  text "P5V" at 9659.45,10697.83 h40
  text "PGND" at 9810.04,10697.83 h40
  text "P5V" at 10054.13,10697.83 h40
  text "D12" at 10205.71,10697.83 h40
  text "D13" at 10360.24,10697.83 h40
  text "PGND" at 10494.09,10697.83 h40
  text "继电器" at 9052.17,10686.02 h100
  text "-" at 7769.54,10678.15 h100 r90
  text "CANH" at 11120.87,10586.86 h35 r90
  text "CANL" at 11011.81,10566.93 h35 r90
  text "全场定位" at 10682.09,10551.18 h60
  text "F4" at 9738.19,10548.23 h40 r270
  text "F3" at 9839.57,10548.23 h40 r270
  text "F2" at 9939.96,10548.23 h40 r270
  text "F1" at 10036.42,10548.23 h40 r270
  text "F0" at 10136.81,10548.23 h40 r270
  text "C13" at 10238.19,10548.23 h40 r270
  text "E6" at 10340.55,10548.23 h40 r270
  text "A3" at 9041.34,10547.24 h40 r270
  text "A0" at 9142.72,10547.24 h40 r270
  text "C3" at 9243.11,10547.24 h40 r270
  text "F10" at 9339.57,10547.24 h40 r270
  text "F9" at 9439.96,10547.24 h40 r270
  text "F8" at 9541.34,10547.24 h40 r270
  text "F5" at 9643.7,10547.24 h40 r270
  text "+" at 7768.7,10523.62 h100 r90
  text "CAN" at 10492.13,10511.81 h35
  text "B9" at 10761.81,10465.55 h40
  text "CANL" at 11120.87,10426.57 h35 r90
  text "-" at 7769.54,10372.05 h100 r90
  text "B8" at 10761.81,10363.19 h40
  text "CAN总线" at 11020.67,10348.43 h60 r90
  text "B7" at 10761.81,10261.81 h40
  text "-" at 11054.13,10258.86 h80 r270
  text "+" at 7768.7,10217.52 h100 r90
  text "B6" at 10761.81,10161.42 h40
  text "A4" at 8656.5,10120.08 h40 r270
  text "+" at 11055.12,10108.27 h80 r270
  text "B5" at 10761.81,10064.96 h40
  text "12V电源" at 7444.88,10049.21 h100
  text "A5" at 8656.5,10016.73 h40 r270
  text "Pwr5V" at 11022.64,9974.41 h50 r90
  text "D1" at 10761.81,9964.57 h40
  text "A6" at 8656.5,9920.28 h40 r270
  text "B11" at 7797.24,9887.8 h40 r270
  text "C11" at 7899.61,9887.8 h40 r270
  text "B10" at 7999.02,9887.8 h40 r270
  text "C10" at 8098.43,9887.8 h40 r270
  text "PGND" at 8197.83,9887.8 h40 r270
  text "P5V" at 8298.23,9887.8 h40 r270
  text "D0" at 10761.81,9863.19 h40
  text "E13" at 8656.5,9834.65 h40 r270
  text "E14" at 8656.5,9722.44 h40 r270
  text "P5V" at 10804.13,9571.85 h50
  text "24V" at 11010.83,9571.85 h50
  text "PGND" at 11197.83,9571.85 h50
  text "TTL-RS232" at 7935.04,9276.57 h80 r270
  text "B13" at 8656.5,9070.87 h40 r270
  text "B12" at 8656.5,8957.68 h40 r270
  text "B15" at 8656.5,8845.47 h40 r270
  text "B14" at 8656.5,8732.28 h40 r270
  text "D9" at 8656.5,8619.09 h40 r270
  text "D8" at 8656.5,8541.34 h40 r270
  text "D15" at 8656.5,8461.61 h40 r270
  text "D14" at 8656.5,8348.43 h40 r270
  text "C8" at 8656.5,8236.22 h40 r270
  text "GND" at 8214.57,8141.51 h40 r270
  text "3V3" at 8312.99,8141.51 h40 r270
  text "C9" at 8656.5,8139.76 h40 r270
  text "A10" at 7816.93,8134.84 h40 r270
  text "D6" at 7916.34,8101.52 h40 r270
  text "A9" at 8013.78,8101.52 h40 r270
  text "D5" at 8117.13,8101.52 h40 r270
  text "12V" at 10848.43,8083.66 h50
  text "PGND" at 11114.17,8083.66 h50
  text "A8" at 8656.5,8041.34 h40 r270
  text "GND" at 8911.42,7900.59 h40
  text "TX" at 9041.34,7900.59 h40
  text "RX" at 9147.64,7900.59 h40
  text "5V" at 9241.14,7900.59 h40
  text "TX" at 10127.95,7900.59 h40
  text "RX" at 10226.38,7900.59 h40
  text "GND" at 10312.99,7900.59 h40
  text "5V" at 10442.91,7900.59 h40
  text "手柄（U6）" at 9346.46,7897.28 h80
  text "蓝牙（U5）" at 9757.87,7896.65 h80
Bottom Overlay:
  text "Abase_2017_V2" at 10349.41,8909.45 h110
Top Solder:
  lines w50: 9180.6,11701.91 9180.6,11702.25 9250.98,11772.64 9416.96,11772.64 9487.68,11701.91 9488.33,11701.91 ; 9334.14,11701.91 9334.5,11701.91 9402.56,11633.86 9573.17,11633.86 9641.23,11701.91 9641.23,11701.29 9718.5,11624.02 9870.42,11624.02 9948.31,11701.91 9948.31,11701.29 10031.5,11618.11 10171.6,11618.11 10255.4,11701.91 10255.76,11701.91 10332.68,11625 10486.22,11625 10550.2,11688.98 ; 10409.46,11701.72 10338.54,11772.64 10172.24,11772.64 10101.86,11702.25 10101.86,11701.91 10032.12,11771.65 9864.17,11771.65 9794.77,11702.25 9794.77,11701.91 9723.06,11773.62 9560.04,11773.62 9488.33,11701.91 ; 9488.33,11701.91 9488.33,11701.91
Bottom Solder:
  lines w50: 9180.6,11701.91 9180.6,11704.22 9256.89,11780.51 9409.09,11780.51 9487.68,11701.91 9487.68,11702.25 9564.96,11779.53 9717.16,11779.53 9794.77,11701.91 9796.4,11701.91 9871.06,11776.57 10028.54,11776.57 10111.22,11693.9 10111.22,11712.6 10176.18,11777.56 10333.62,11777.56 10409.46,11701.72 ; 9334.14,11701.91 9334.14,11687.51 9402.56,11619.09 9558.41,11619.09 9641.23,11701.91 9641.23,11700.31 9726.38,11615.16 9861.22,11615.16 9940.94,11694.88 9954.72,11694.88 10040.35,11609.25 10165.35,11609.25 10250,11693.9 10263.78,11693.9 10342.52,11615.16 10476.43,11615.16 10563,11701.72

## Dimensions
7425.24,7821.42 to 11395.24,7741.42 on Top Overlay
6780,11850 to 6865,7900 on Top Overlay

## Text inside footprints (layer, text, board x,y; h text height)
DC/DC1: Top Overlay "Vin-" at 7758.86,11423.23 h40; Top Overlay "Vin+" at 7758.86,11217.52 h40; Top Overlay "Vout-" at 8588.58,11717.52 h40; Top Overlay "Vout+" at 8588.58,10917.32 h40